# Altium PCB PCB.PcbDoc (part 1 of 4)
Units mm, origin at the board's own origin, x right, y up, seen from the top; angles counter-clockwise.
Board outline 133.1 x 64.1 mm, 6 copper layers (Top Layer, L02_GND1, L03_PWR1, L04_PWR2, L05_GND2, Bottom Layer), stack 2.464 mm thick; 295 components, 194 nets, 953 pads, 663 vias.
Unrouted connection lines stored in the file: 127.
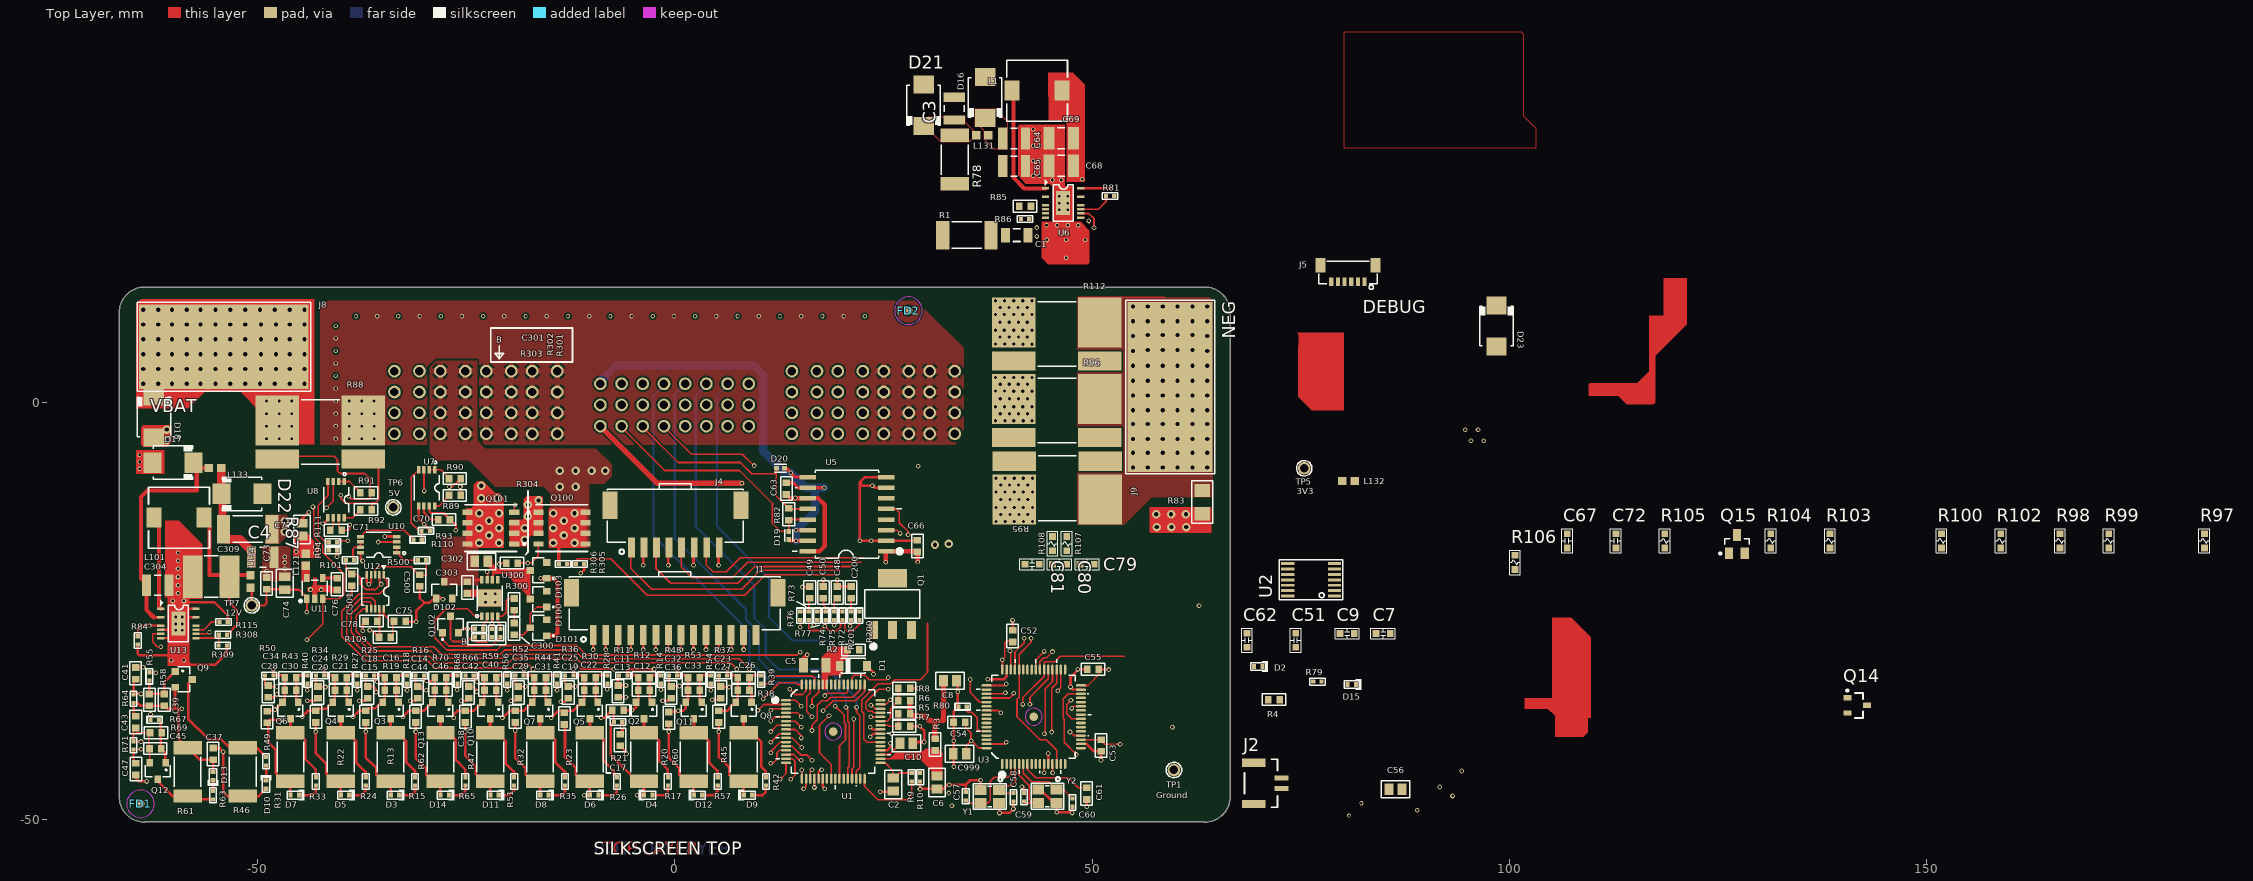
[diagram p0: Top Layer view]
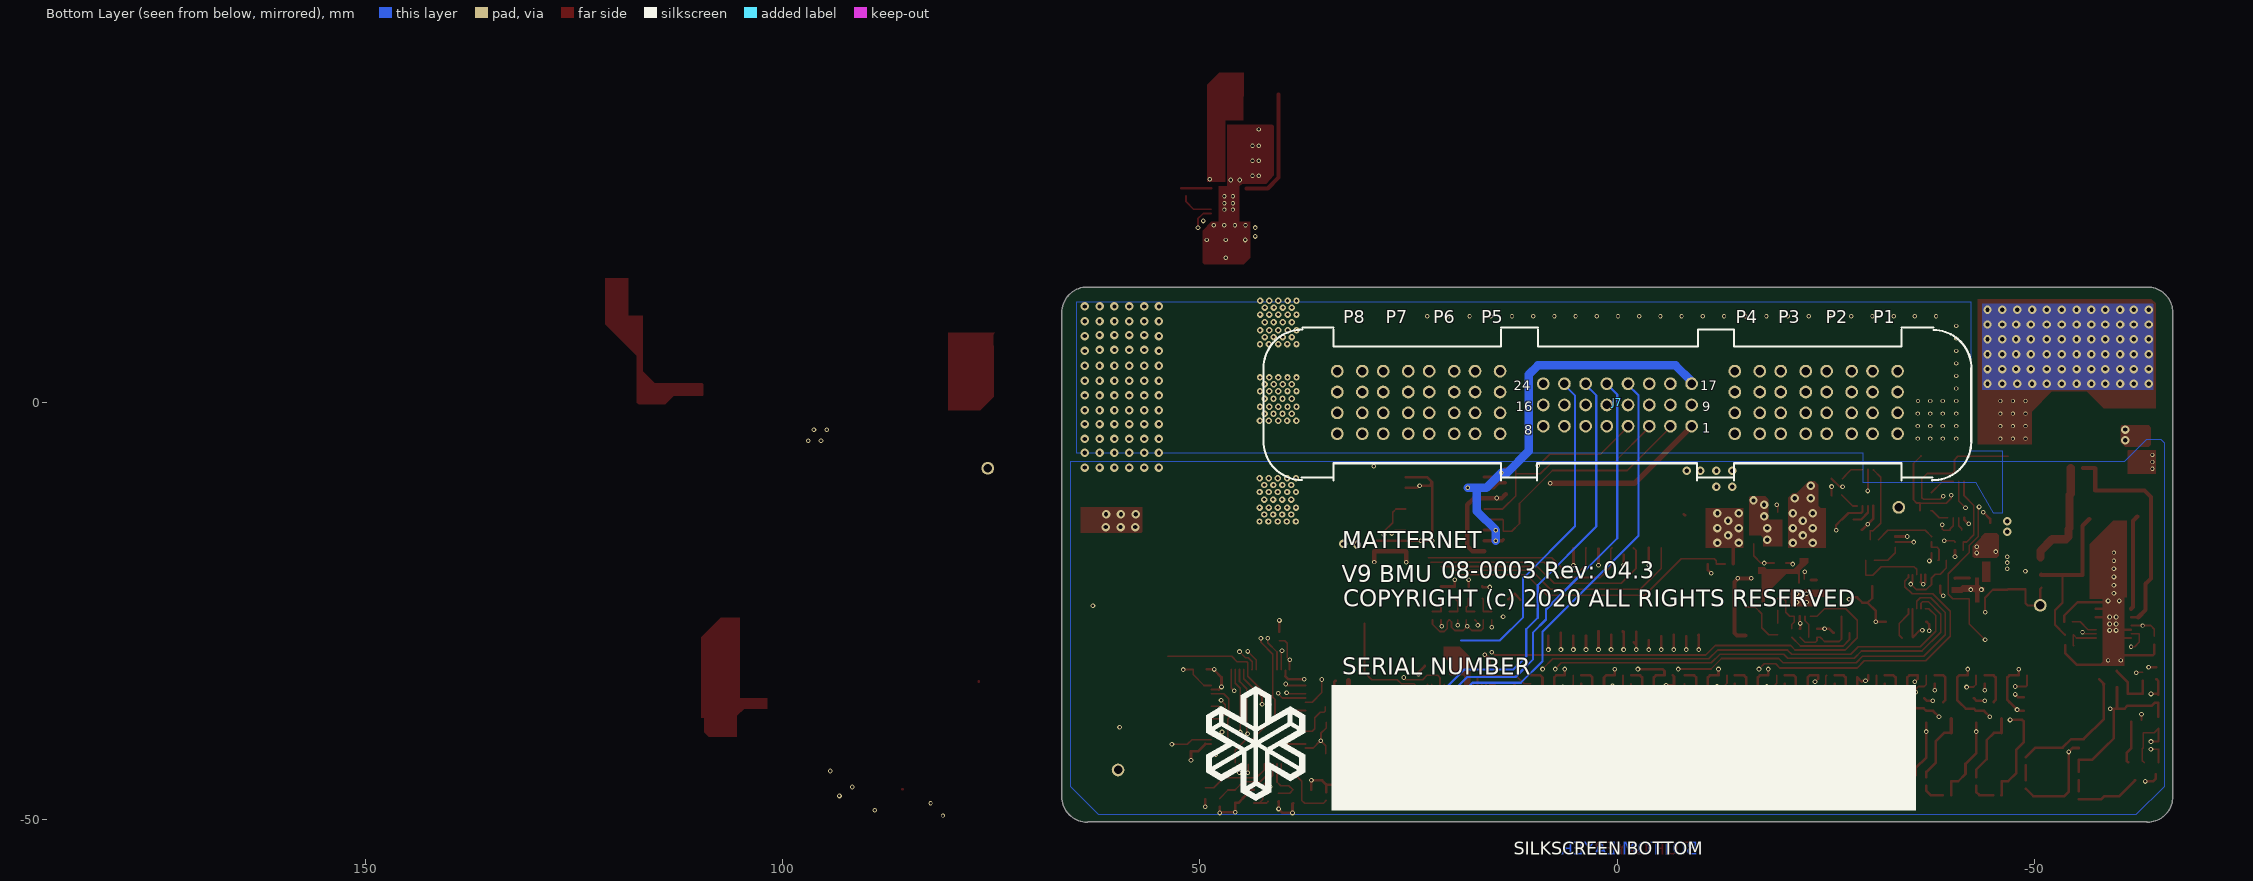
[diagram p1: Bottom Layer view, seen from below]
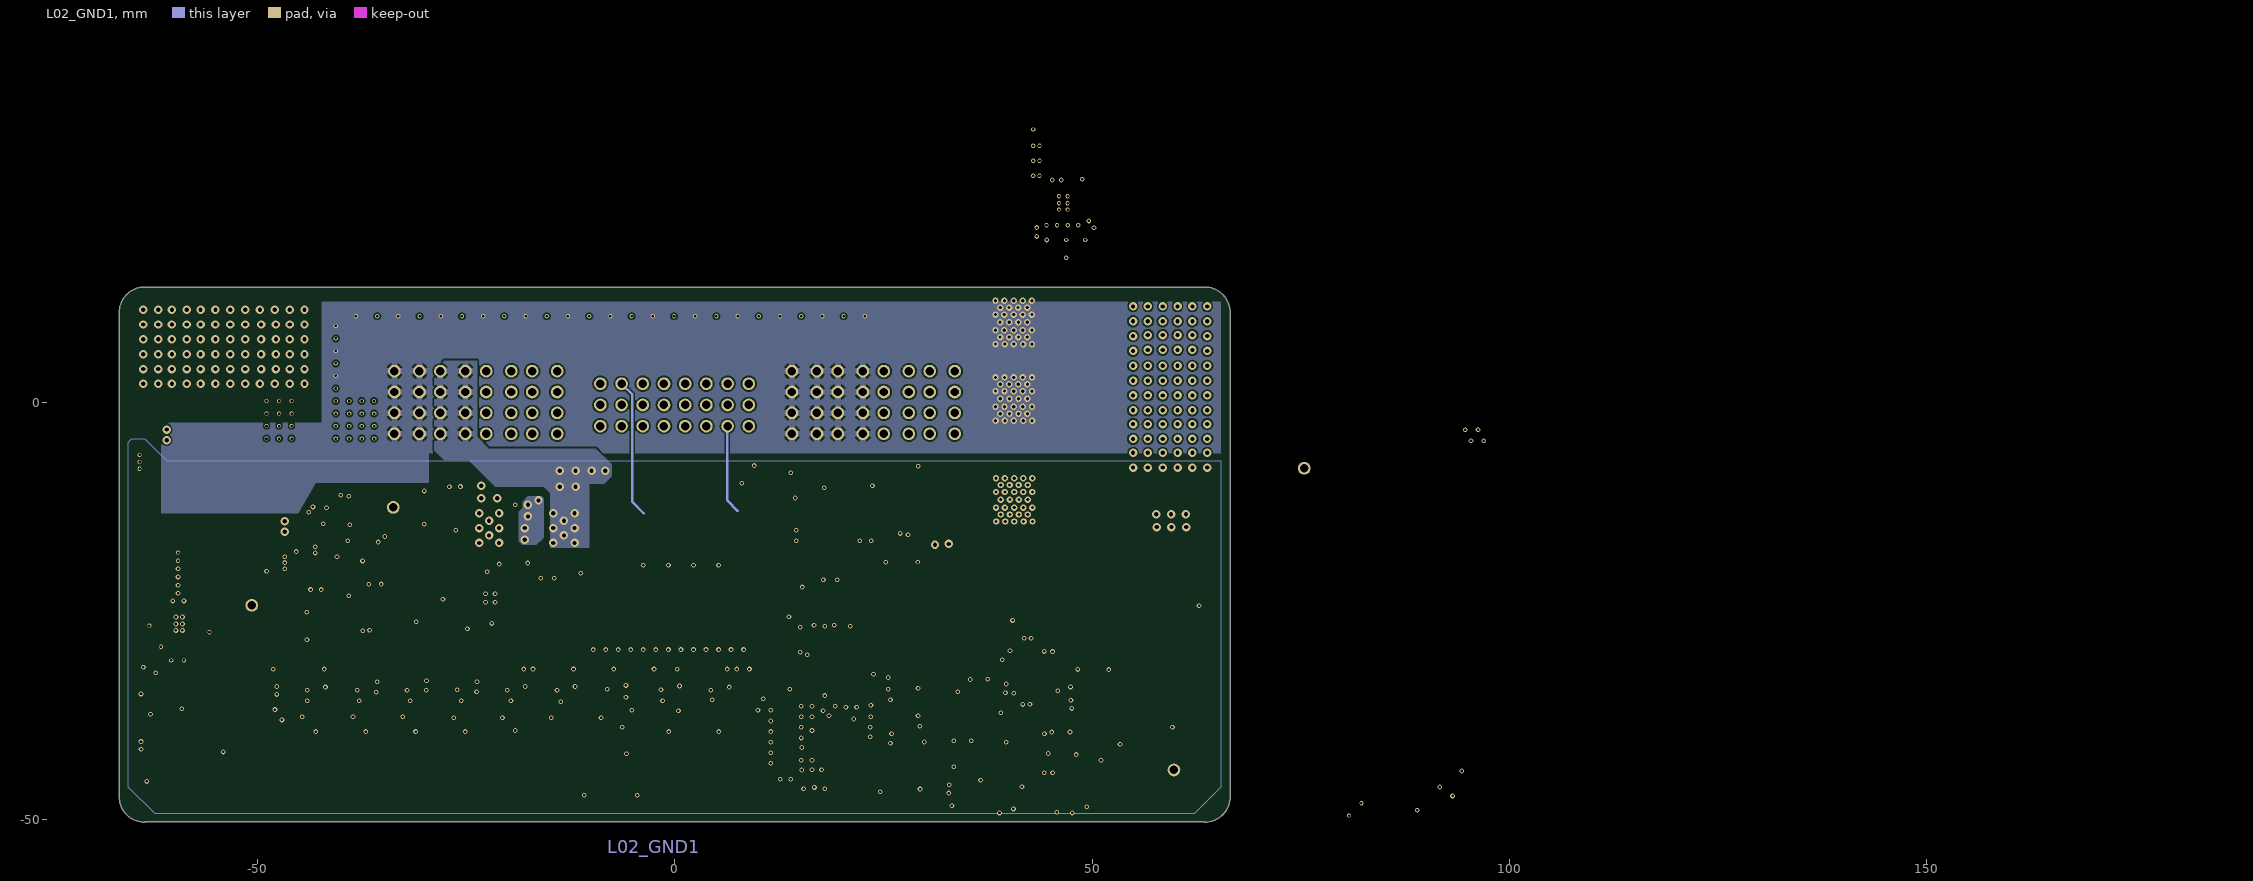
[diagram p2: L02_GND1]
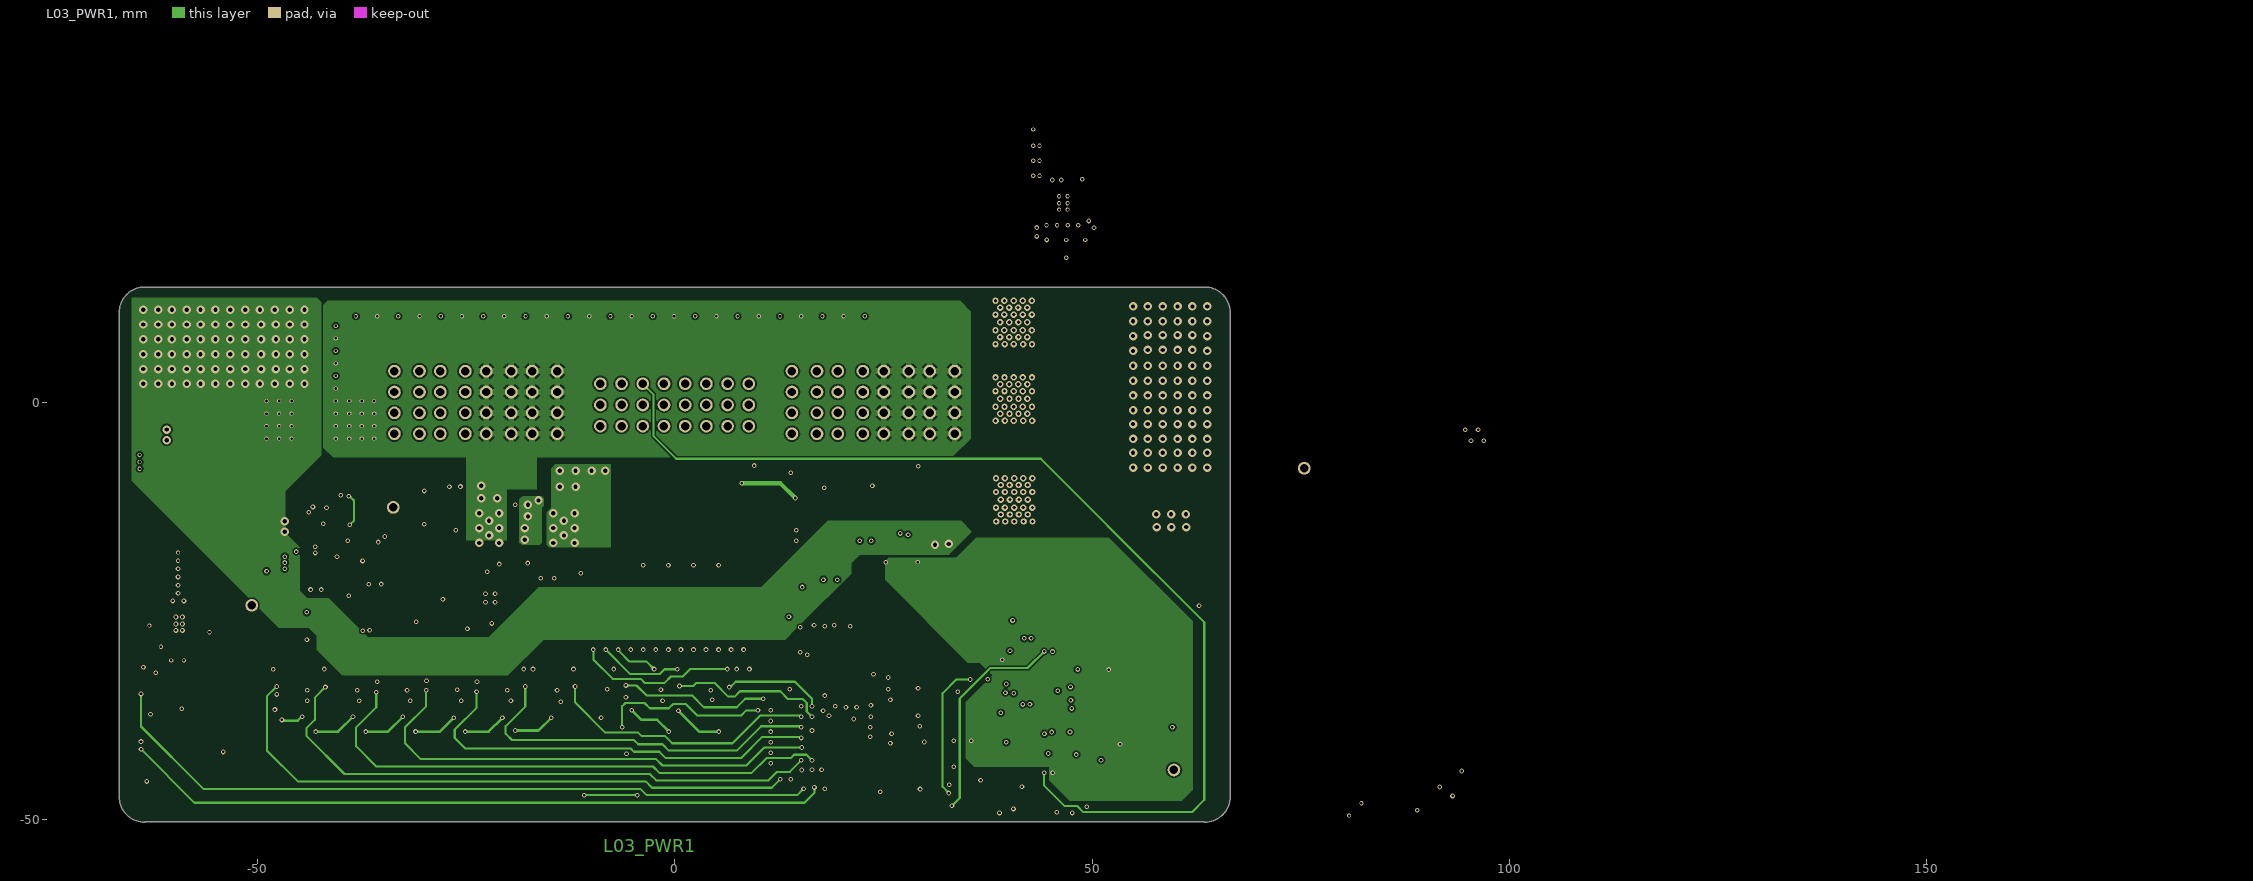
[diagram p3: L03_PWR1]
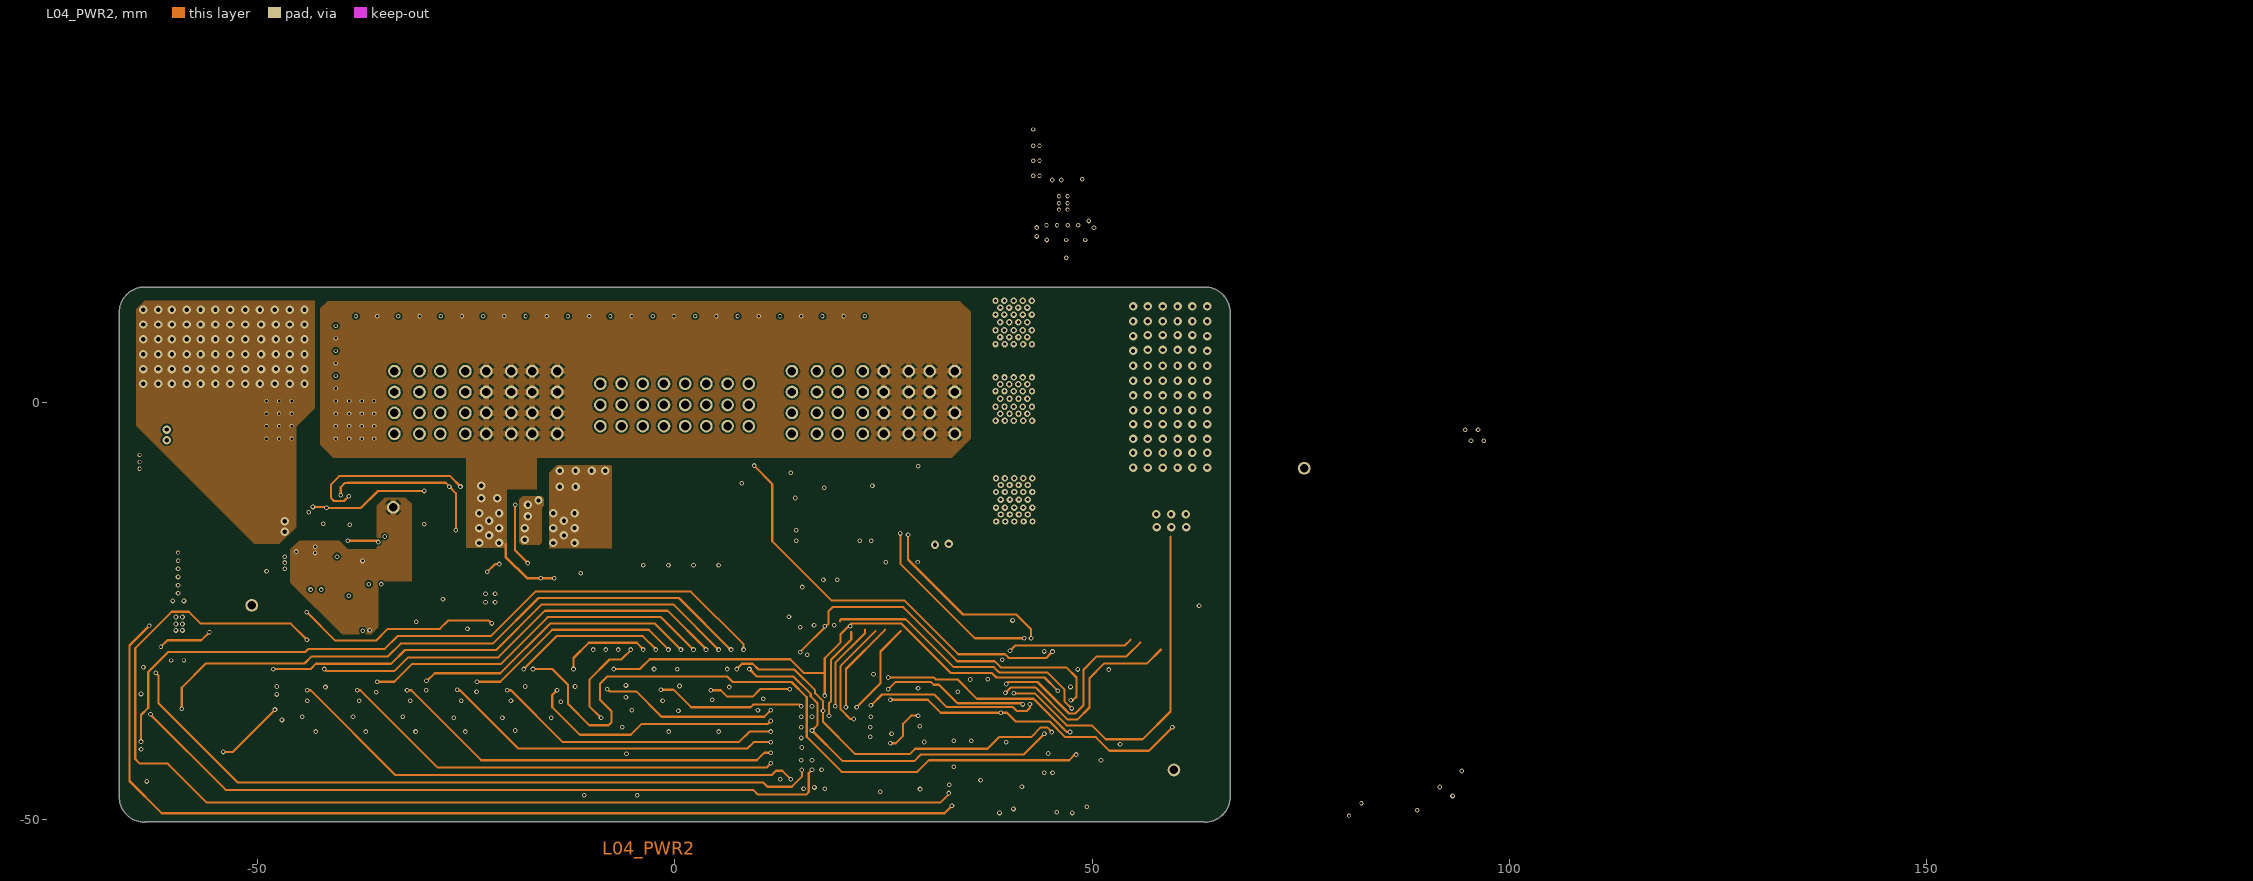
[diagram p4: L04_PWR2]
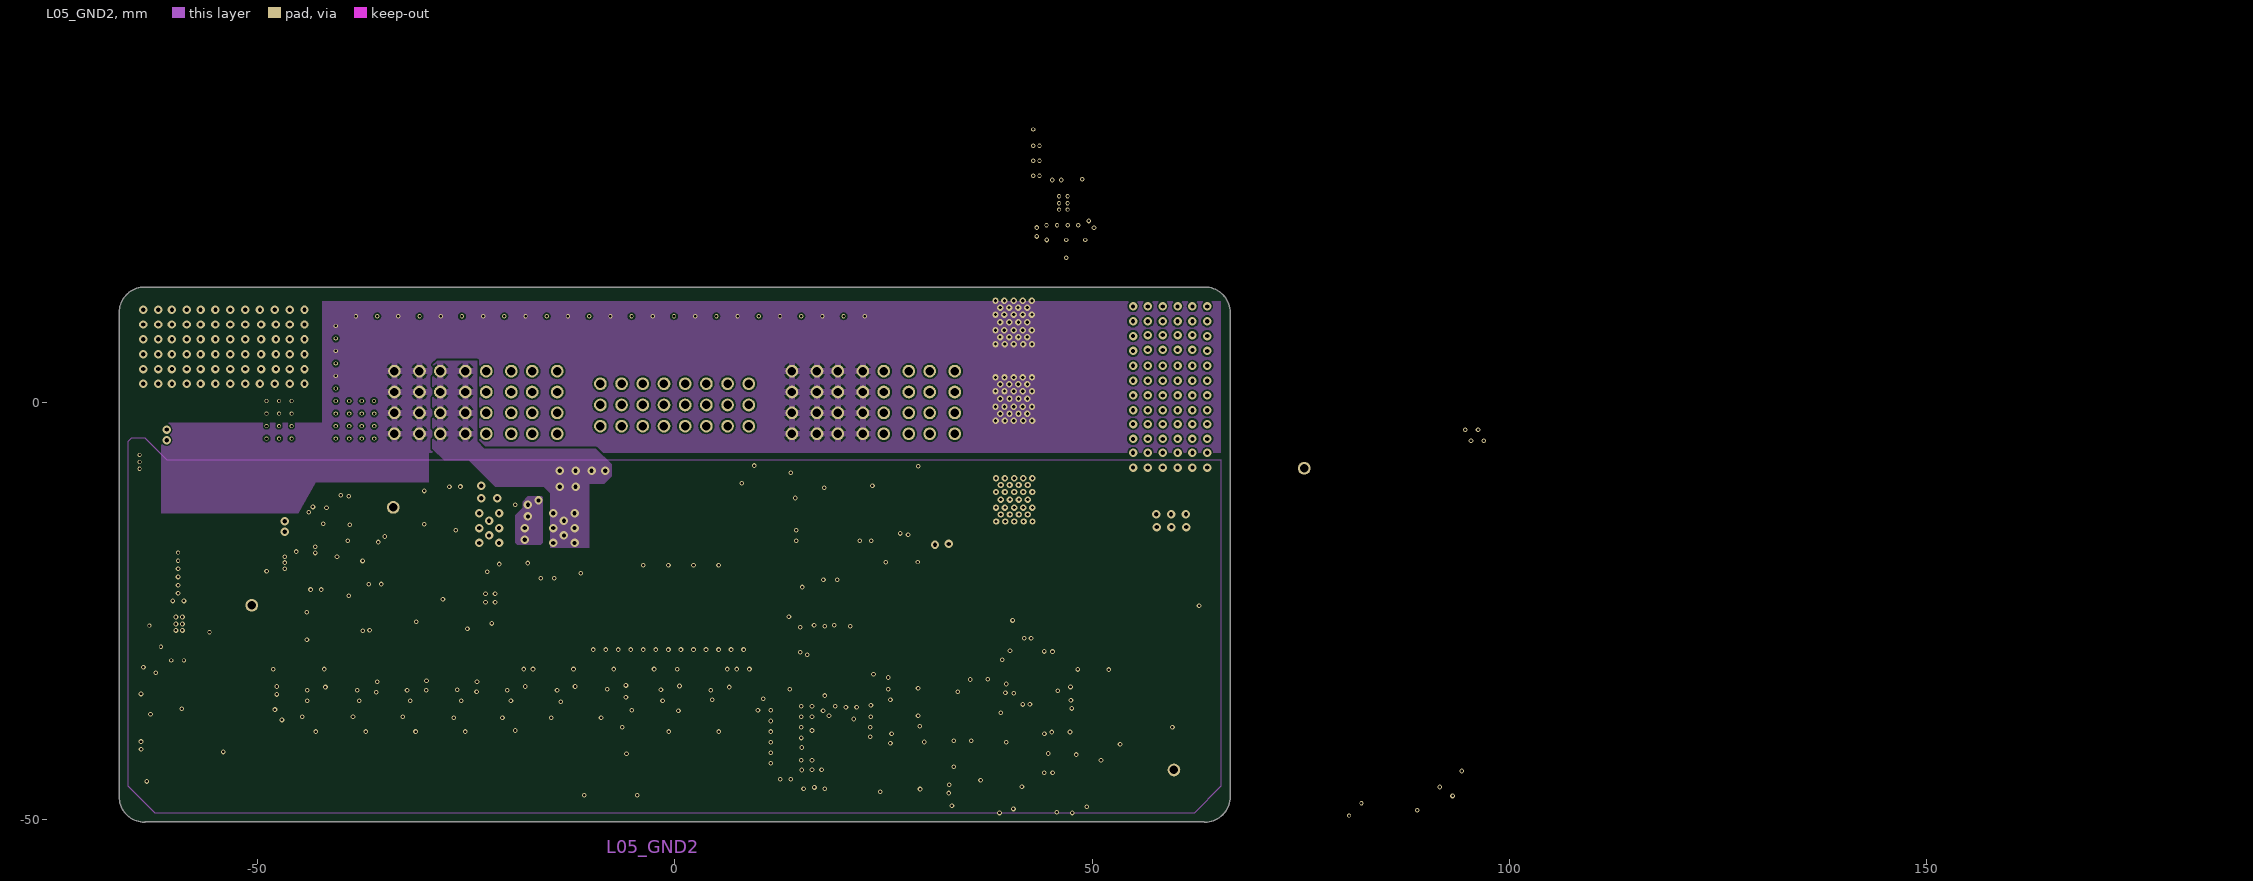
[diagram p5: L05_GND2]

## Layer stack, top to bottom
Top Solder: solder mask 0.0203, Solder Resist, Dk 3.5
Top Layer: signal copper 0.0838
Dielectric 1: prepreg 0.4064, FR-4, Dk 4.3
L02_GND1: signal copper 0.066
Dielectric 2: core 0.4064, FR-4, Dk 4.3
L03_PWR1: signal copper 0.066
Dielectric 3: prepreg 0.4064, FR-4, Dk 4.3
L04_PWR2: signal copper 0.066
Dielectric 4: core 0.4064, FR-4, Dk 4.3
L05_GND2: signal copper 0.066
Dielectric 5: prepreg 0.4064, FR-4, Dk 4.3
Bottom Layer: signal copper 0.0838
Bottom Solder: solder mask 0.0203, Solder Resist, Dk 3.5

## Board outline
-66.55,-47.23 ccw(c-63.5,-47.23) -63.5,-50.28 ccw(c-63.5,-50.23) -63.45,-50.231 63.45,-50.231 ccw(c63.5,-50.23) 63.5,-50.28 ccw(c63.5,-47.23) 66.55,-47.231 ccw(c63.5,-47.23) 66.55,-47.23 66.55,10.77 ccw(c66.5,10.77) 66.55,10.771 ccw(c63.5,10.77) 63.5,13.82 ccw(c63.5,13.77) 63.45,13.771 -63.45,13.771 ccw(c-63.5,13.77) -63.5,13.82 ccw(c-63.5,10.77) -66.55,10.77

## Design rules (kind name [scope] priority, off if disabled: settings)
BoardOutlineClearance [All] p1: gap=0.254 ignorepadtopadclearanceinfootprint=FALSE except(0: Arc-SplitContinuation Track-SplitContinuation SMDPad-SplitContinuation THPad-SplitContinuation Via-SplitContinuation Fill-SplitContinuation Poly-SplitContinuation Region-SplitContinuation Text-SplitContinuation)
Clearance "Mounting hole" [InPadClass('PEMs')] p1: gap=0.203 ignorepadtopadclearanceinfootprint=TRUE except(0: Arc-Hole Track-Hole SMDPad-Hole THPad-Hole Via-Hole Fill-Hole Poly-Hole Region-Hole Text-Hole; 0.178: SMDPad-SMDPad SMDPad-Via SMDPad-Fill SMDPad-Poly SMDPad-Region SMDPad-Text Fill-Text Poly-Text Region-Text Text-Text; 0.381: Fill-Fill Fill-Poly Fill-Region Poly-Poly Poly-Region Region-Region; 0.7: Arc-THPad Track-THPad SMDPad-THPad THPad-THPad THPad-Via THPad-Fill THPad-Poly THPad-Region THPad-Text) // Ample clearance around holes
Clearance HI_VOL [InNetClass('HI-VOL')] p2: gap=0.4 ignorepadtopadclearanceinfootprint=TRUE except(0.3: Arc-SMDPad Arc-Via Track-SMDPad Track-Via; 0.7: Arc-THPad Arc-Hole Track-THPad Track-Hole THPad-THPad THPad-Via THPad-Fill THPad-Poly THPad-Region THPad-Text THPad-Hole Via-Via Via-Fill Via-Poly Via-Region Via-Text Via-Hole)
Clearance REDUCE_SPACING [WithinRoom('CHG_IN')] p3 off: gap=0.254 ignorepadtopadclearanceinfootprint=FALSE except(0: Arc-Hole Track-Hole SMDPad-Hole THPad-Hole Via-Hole Fill-Hole Poly-Hole Region-Hole Text-Hole)
Clearance "KEEPOUT TO HI-VOL" [IsKeepOut vs InNetClass('HI-VOL')] p4 off: gap=0.3 ignorepadtopadclearanceinfootprint=FALSE except(0: Arc-Hole Track-Hole SMDPad-Hole THPad-Hole Via-Hole Fill-Hole Poly-Hole Region-Hole Text-Hole)
Clearance CLK [InNetClass('CLK')] p5 off: gap=0.2 ignorepadtopadclearanceinfootprint=FALSE except(0: Arc-Hole Track-Hole SMDPad-Hole THPad-Hole Via-Hole Fill-Hole Poly-Hole Region-Hole Text-Hole; 0.193: SMDPad-SMDPad; 0.254: THPad-Poly; 0.381: Track-Track; 0.635: Poly-Poly Poly-Region)
Clearance Standard [All] p6: gap=0.203 ignorepadtopadclearanceinfootprint=TRUE except(0: Arc-Hole Track-Hole SMDPad-Hole THPad-Hole Via-Hole Fill-Hole Poly-Hole Region-Hole Text-Hole; 0.254: Fill-Fill Fill-Poly Fill-Region Poly-Poly Poly-Region Region-Region)
HoleSize [All] p1: absolutevalues=TRUE maxlimit=25.4 minlimit=0.025 maxpercent=80.000 minpercent=20.000
MinimumSolderMaskSliver [All] p1: minsoldermaskwidth=0.076
PolygonConnect P2-P5 [InNet('NEG') vs InPadClass('NEG')] p1: connectstyle=Relief reliefconductorwidth=2.54 reliefentries=4 polygonreliefangle="90 Angle" airgapwidth=0.254
PolygonConnect Thru-pin [IsThruPin] p2: connectstyle=Relief reliefconductorwidth=0.762 reliefentries=4 polygonreliefangle="90 Angle" airgapwidth=0.254
PolygonConnect [All] p3: connectstyle=Direct reliefconductorwidth=0.254 reliefentries=4 polygonreliefangle="90 Angle" airgapwidth=0.254
RoomDefinition "PG15_ Fuel Gauge" [InComponentClass('PG15_ Fuel Gauge')] p1: confinementstyle=ConfineIn formatcopy=TRUE lockcomponents=FALSE outline 67.656,-22.985 187.256,-22.985 187.256,-12.385 67.656,-12.385
RoomDefinition "PG14_ POWER CONTROL" [InComponentClass('PG14_ POWER CONTROL')] p2: confinementstyle=ConfineIn formatcopy=TRUE lockcomponents=FALSE outline 66.214,-14.849 179.117,-14.849 179.117,-8.245 66.214,-8.245
RoomDefinition "PG13_ REGS_MANAGER" [InComponentClass('PG13_ REGS_MANAGER')] p3: confinementstyle=ConfineIn formatcopy=TRUE lockcomponents=FALSE outline 66.214,64.018 129.333,64.018 129.333,75.829 66.214,75.829
RoomDefinition "PG09_ TEMP_BALANCER" [InComponentClass('PG09_ TEMP_BALANCER')] p4: confinementstyle=ConfineIn formatcopy=TRUE lockcomponents=FALSE outline 66.214,-5.705 139.239,-5.705 139.239,5.725 66.214,5.725
RoomDefinition PG12_CURRENT_INTEGRATION [InComponentClass('PG12_CURRENT_INTEGRATION')] p5: confinementstyle=ConfineIn formatcopy=TRUE lockcomponents=FALSE outline 66.214,23.886 252.015,23.886 252.015,38.364 66.214,38.364
RoomDefinition "PG10_ MCU" [InComponentClass('PG10_ MCU')] p6: confinementstyle=ConfineIn formatcopy=TRUE lockcomponents=FALSE outline 66.214,4.328 148.764,4.328 148.764,22.616 66.214,22.616
RoomDefinition "PG11_ CAN_CONN" [InComponentClass('PG11_ CAN_CONN')] p7: confinementstyle=ConfineIn formatcopy=TRUE lockcomponents=FALSE outline -680.292,-567.934 -629.492,-567.934 -629.492,-542.534 -680.292,-542.534
RoomDefinition "PG05_ CELLS" [InComponentClass('PG05_ CELLS')] p8: confinementstyle=ConfineIn formatcopy=TRUE lockcomponents=FALSE outline 66.214,-10.912 277.161,-10.912 277.161,-4.562 66.214,-4.562
RoomDefinition "PG04_ BALANCER" [InComponentClass('PG04_ BALANCER')] p9: confinementstyle=ConfineIn formatcopy=TRUE lockcomponents=FALSE outline 66.214,-48.25 128.063,-48.25 128.063,-12.182 66.214,-12.182
RoutingVias [All] p1: holewidth=0.305 width=0.61 viastyle="Through Hole" minholewidth=0.254 minwidth=0.508 maxholewidth=0.508 maxwidth=1.016
SilkToSilkClearance [All] p1: silktosilkclearance=0.003
SilkToSolderMaskClearance [IsPad] p1: minsilkscreentomaskgap=0.003 clearancetoexposedcopper=TRUE
SolderMaskExpansion [All] p1: expansion=0.102 istentingtop=FALSE
UnRoutedNet [All] p1: checkbadconnections=TRUE
ViasUnderSMD [All] p1: allowed=TRUE
Width Width_PWR [InNetClass('PWR')] p1: maxlimit=2.54 minlimit=0.254 preferedwidth=0.508
Width [All] p2: maxlimit=1.27 minlimit=0.152 preferedwidth=0.254
25 further rules are at their usual default settings.

## Classes and differential pairs
component class "PG15_ Fuel Gauge": C67 C72 C79 C80 C81 Q14 Q15 R97 R98 R99 R100 R102 R103 R104 R105 R106 R107 R108 U2
component class "PG13_ REGS_MANAGER": C3 C4 C64 C65 C68 C69 C304 C309 D16 D17 D21 D22 L1 L101 L131 L132 L133 L134 R78 R81 R84 R85 R86 R87 R115 R308 R309 TP1 TP5 TP7 U6 U13
component class PG12_CURRENT_INTEGRATION: C70 C71 C73 C74 C75 C76 C77 C78 C500 C501 L121 R88 R89 R90 R91 R92 R93 R94 R101 R109 R110 R111 R500 TP6 U7 U8 U10 U11 U12
component class "PG11_ CAN_CONN": C7 C9 C51 C62 C63 C66 D18 D19 D20 D23 J7 J8 J9 R82 R83 R95 R96 R112 U5
component class "PG10_ MCU": C52 C53 C54 C55 C56 C57 C58 C59 C60 C61 C999 D15 J5 R79 R80 U3 Y1 Y2
component class "PG09_ TEMP_BALANCER": C48 C49 C50 C200 J2 J4 R72 R73 R74 R75 R76 R77 R200 R201
component class "PG05_ CELLS": C11 C12 C13 C14 C15 C16 C17 C18 C19 C20 C21 C22 C23 C24 C25 C26 C27 C28 C29 C30 C31 C32 C33 C34 C35 C36 C37 C38 C39 C40 C41 C42 C43 C44 C45 C46 C47 D3 D4 D5 D6 D7 D8 D9 D10 D11 D12 D13 D14 Q2 Q3 Q4 Q5 Q6 Q7 Q8 Q9 Q10 Q11 Q12 Q13 R11 R12 R13 R14 R15 R16 R17 R18 R19 R20 R21 R22 R23 R24 R25 R26 R27 R28 R29 R30 R31 R32 R33 R34 R35 R36 R37 R38 R39 R40 R41 R42 R43 R44 R45 R46 R47 R48 R49 R50 R51 R52 R53 R54 R55 R56 R57 R58 R59 R60 R61 R62 R63 R64 R65 R66 R67 R68 R69 R70 R71
component class "PG04_ BALANCER": C1 C2 C5 C6 C8 C10 D1 D2 FD1 FD2 J1 Q1 R1 R2 R3 R4 R5 R6 R7 R8 R9 R10 U1
component class "PG14_ POWER CONTROL": C300 C301 C302 C303 D100 D101 D102 D103 Q100 Q101 Q102 R300 R301 R302 R303 R304 R305 R306 U300
